# Allegro board S071AA-0413-20260427_Power.brd (continued)
## Routing (per net, layer and track width the routed paths; a pad name or vN(x,y) marks a point on that pad's centre or on a via; arc(x,y) is an arc through that point) (continued)
34.76,370.84 ; D231.B9 35.83,371.91 ; 123.66,375.92 D227.A3 ; D227.A3 124.73,374.85 ; D227.A3 124.73,376.99 ; D227.A3 125.8,375.92 ; 185.69,392.63 D116.A8 ; D116.A8 184.62,393.7 ; D116.A8 185.69,394.77 ; D116.A8 186.76,393.7 ; D103.A8 181.68,55.88 ; D103.A8 180.61,54.81 ; D103.A8 180.61,56.95 ; D103.A8 179.54,55.88 ; D427.A13 99.33,387.15 ; D427.A13 98.26,386.08 ; D427.A13 100.4,386.08 ; D427.A13 99.33,385.01 ; 256.81,57.35 D107.B9 ; D107.B9 255.74,58.42 ; D107.B9 257.88,58.42 ; D107.B9 256.81,59.49 ; D232.A7 41.98,396.24 ; D232.A7 40.91,395.17 ; D232.A7 40.91,397.31 ; D232.A7 39.84,396.24 ; D428.B4 122.19,399.85 ; D428.B4 121.12,398.78 ; D428.B4 122.19,397.71 ; D428.B4 123.26,398.78 ; 39.84,58.42 D119.B11 ; D119.B11 40.91,57.35 ; D119.B11 41.98,58.42 ; D119.B11 40.91,59.49 ; D123.B11 114.57,59.49 ; D123.B11 114.57,57.35 ; D123.B11 115.64,58.42 ; D123.B11 113.5,58.42 ; CSDPS429.C15 21.66,340.36 ; CSDPS429.C15 19.52,340.36 ; CSDPS429.C15 20.59,339.29 ; CSDPS429.C15 20.59,341.43 ; UHC430.G2_9 47.83,361.01 ; UHC430.G2_9 48.64,360.2 ; UHC430.G2_9 47.83,359.39 ; UHC430.G2_9 47.02,360.2 ; 114.57,359.61 CSDPS426.C7 ; CSDPS426.C7 115.64,360.68 ; CSDPS426.C7 114.57,361.75 ; CSDPS426.C7 113.5,360.68 ; 246.65,12.9 DPS1.A05 ; DPS1.A05 246.65,15.04 ; DPS1.A05 247.72,13.97 ; DPS1.A05 245.58,13.97 ; 202.4,330.2 D113.B1 ; D113.B1 203.47,331.27 ; D113.B1 204.54,330.2 ; D113.B1 203.47,329.13 ; 192.24,350.52 D114.B5 ; D114.B5 193.31,351.59 ; D114.B5 193.31,349.45 ; D114.B5 194.38,350.52 ; 101.87,362.15 CSDPS426.B12 ; CSDPS426.B12 102.94,363.22 ; CSDPS426.B12 100.8,363.22 ; CSDPS426.B12 101.87,364.29 ; D121.A1 90.24,93.98 ; D121.A1 89.17,95.05 ; D121.A1 89.17,92.91 ; D121.A1 88.1,93.98 ; D105.B11 262.96,99.06 ; D105.B11 260.82,99.06 ; D105.B11 261.89,100.13 ; D105.B11 261.89,97.99 ; D103.B7 178.07,59.49 ; D103.B7 178.07,57.35 ; D103.B7 179.14,58.42 ; D103.B7 177,58.42 ; 44.92,78.74 D118.B13 ; D118.B13 45.99,77.67 ; D118.B13 47.06,78.74 ; D118.B13 45.99,79.81 ; 22.06,55.88 D119.A4 ; D119.A4 23.13,56.95 ; D119.A4 23.13,54.81 ; D119.A4 24.2,55.88 ; D102.B6 175.53,82.35 ; D102.B6 174.46,81.28 ; D102.B6 175.53,80.21 ; D102.B6 176.6,81.28 ; D227.B15 94.25,371.91 ; D227.B15 93.18,370.84 ; D227.B15 95.32,370.84 ; D227.B15 94.25,369.77 ; 239.03,326.59 D109.B16 ; D109.B16 237.96,327.66 ; D109.B16 240.1,327.66 ; D109.B16 239.03,328.73 ; D431.B12 28.21,379.53 ; D431.B12 28.21,377.39 ; D431.B12 27.14,378.46 ; D431.B12 29.28,378.46 ; CSDPS426.C1 130.88,360.68 ; CSDPS426.C1 129.81,359.61 ; CSDPS426.C1 129.81,361.75 ; CSDPS426.C1 128.74,360.68 ; 19.52,381 D431.B15 ; D431.B15 21.66,381 ; D431.B15 20.59,379.93 ; D431.B15 20.59,382.07 ; 16.98,60.96 D119.B2 ; D119.B2 18.05,59.89 ; D119.B2 18.05,62.03 ; D119.B2 19.12,60.96 ; 269.51,351.99 D110.A4 ; D110.A4 268.44,353.06 ; D110.A4 269.51,354.13 ; D110.A4 270.58,353.06 ; D118.A6 29.28,76.2 ; D118.A6 28.21,77.27 ; D118.A6 28.21,75.13 ; D118.A6 27.14,76.2 ; D115.B7 189.3,370.84 ; D115.B7 188.23,369.77 ; D115.B7 187.16,370.84 ; D115.B7 188.23,371.91 ; D108.B4 244.11,41.71 ; D108.B4 245.18,40.64 ; D108.B4 244.11,39.57 ; D108.B4 243.04,40.64 ; 246.65,52.27 D107.A5 ; D107.A5 246.65,54.41 ; D107.A5 245.58,53.34 ; D107.A5 247.72,53.34 ; 166.84,78.74 D102.B3 ; D102.B3 168.98,78.74 ; D102.B3 167.91,79.81 ; D102.B3 167.91,77.67 ; 27.14,373.38 D231.A12 ; D231.A12 28.21,372.31 ; D231.A12 29.28,373.38 ; D231.A12 28.21,374.45 ; 48.98,347.48 UHC230.G3_11 ; UHC230.G3_11 49.79,348.29 ; UHC230.G3_11 48.17,348.29 ; UHC230.G3_11 48.98,349.1 ; D106.A16 274.59,77.27 ; D106.A16 274.59,75.13 ; D106.A16 275.66,76.2 ; D106.A16 273.52,76.2 ; D232.B7 41.98,391.16 ; D232.B7 39.84,391.16 ; D232.B7 40.91,392.23 ; D232.B7 40.91,390.09 ; 88.1,381 D427.B17 ; D427.B17 90.24,381 ; D427.B17 89.17,382.07 ; D427.B17 89.17,379.93 ; CSDPS229.C7 41.98,330.2 ; CSDPS229.C7 40.91,329.13 ; CSDPS229.C7 39.84,330.2 ; CSDPS229.C7 40.91,331.27 ; 127.27,382.47 D427.A2 ; D427.A2 128.34,383.54 ; D427.A2 127.27,384.61 ; D427.A2 126.2,383.54 ; 182.08,78.74 D102.B9 ; D102.B9 183.15,79.81 ; D102.B9 183.15,77.67 ; D102.B9 184.22,78.74 ; 116.04,35.56 D124.A12 ; D124.A12 118.18,35.56 ; D124.A12 117.11,34.49 ; D124.A12 117.11,36.63 ; D102.A14 195.85,77.27 ; D102.A14 194.78,76.2 ; D102.A14 196.92,76.2 ; D102.A14 195.85,75.13 ; 175.53,326.59 D113.B12 ; D113.B12 176.6,327.66 ; D113.B12 174.46,327.66 ; D113.B12 175.53,328.73 ; D113.A11 178.07,336.35 ; D113.A11 178.07,334.21 ; D113.A11 177,335.28 ; D113.A11 179.14,335.28 ; 202.4,410.21 DPS2.C01 ; DPS2.C01 204.54,410.21 ; DPS2.C01 203.47,411.28 ; DPS2.C01 203.47,409.14 ; 110.96,398.78 D428.B8 ; D428.B8 112.03,397.71 ; D428.B8 113.1,398.78 ; D428.B8 112.03,399.85 ; D114.A13 174.06,355.6 ; D114.A13 172.99,356.67 ; D114.A13 172.99,354.53 ; D114.A13 171.92,355.6 ; 199.86,353.06 D114.A2 ; D114.A2 202,353.06 ; D114.A2 200.93,354.13 ; D114.A2 200.93,351.99 ; D104.A15 199.46,33.02 ; D104.A15 197.32,33.02 ; D104.A15 198.39,34.09 ; D104.A15 198.39,31.95 ; 15.51,405.33 D432.A17 ; D432.A17 15.51,407.47 ; D432.A17 16.58,406.4 ; D432.A17 14.44,406.4 ; D111.B10 255.34,368.3 ; D111.B10 253.2,368.3 ; D111.B10 254.27,369.37 ; D111.B10 254.27,367.23 ; DPS3.A05 100.4,13.97 ; DPS3.A05 99.33,15.04 ; DPS3.A05 98.26,13.97 ; DPS3.A05 99.33,12.9 ; DPS1.C15 272.05,20.12 ; DPS1.C15 270.98,19.05 ; DPS1.C15 272.05,17.98 ; DPS1.C15 273.12,19.05 ; 35.83,57.35 D119.B9 ; D119.B9 35.83,59.49 ; D119.B9 36.9,58.42 ; D119.B9 34.76,58.42 ; 116.04,398.78 D428.B6 ; D428.B6 118.18,398.78 ; D428.B6 117.11,397.71 ; D428.B6 117.11,399.85 ; D232.B15 21.66,391.16 ; D232.B15 20.59,390.09 ; D232.B15 20.59,392.23 ; D232.B15 19.52,391.16 ; D105.A8 255.34,96.52 ; D105.A8 254.27,97.59 ; D105.A8 254.27,95.45 ; D105.A8 253.2,96.52 ; D227.A5 119.65,376.99 ; D227.A5 120.72,375.92 ; D227.A5 118.58,375.92 ; D227.A5 119.65,374.85 ; 35.83,72.59 D118.A9 ; D118.A9 36.9,73.66 ; D118.A9 35.83,74.73 ; D118.A9 34.76,73.66 ; D113.A7 188.23,336.35 ; D113.A7 187.16,335.28 ; D113.A7 188.23,334.21 ; D113.A7 189.3,335.28 ; D116.A5 194.38,396.24 ; D116.A5 192.24,396.24 ; D116.A5 193.31,397.31 ; D116.A5 193.31,395.17 ; 24.6,340.36 CSDPS429.C13 ; CSDPS429.C13 25.67,339.29 ; CSDPS429.C13 25.67,341.43 ; CSDPS429.C13 26.74,340.36 ; 106.95,367.23 D227.B10 ; D227.B10 106.95,369.37 ; D227.B10 105.88,368.3 ; D227.B10 108.02,368.3 ; 203.47,390.09 D116.B1 ; D116.B1 203.47,392.23 ; D116.B1 204.54,391.16 ; D116.B1 202.4,391.16 ; 110.96,342.9 CSDPS425.B8 ; CSDPS425.B8 112.03,343.97 ; CSDPS425.B8 113.1,342.9 ; CSDPS425.B8 112.03,341.83 ; D115.A4 196.92,373.38 ; D115.A4 195.85,372.31 ; D115.A4 195.85,374.45 ; D115.A4 194.78,373.38 ; 18.05,382.47 D431.A16 ; D431.A16 18.05,384.61 ; D431.A16 16.98,383.54 ; D431.A16 19.12,383.54 ; D101.A13 194.38,93.98 ; D101.A13 193.31,92.91 ; D101.A13 192.24,93.98 ; D101.A13 193.31,95.05 ; 241.57,92.91 D105.A3 ; D105.A3 242.64,93.98 ; D105.A3 240.5,93.98 ; D105.A3 241.57,95.05 ; D122.A6 101.87,77.27 ; D122.A6 102.94,76.2 ; D122.A6 101.87,75.13 ; D122.A6 100.8,76.2 ; 119.65,57.35 D123.B13 ; D123.B13 120.72,58.42 ; D123.B13 118.58,58.42 ; D123.B13 119.65,59.49 ; D120.A10 39.44,35.56 ; D120.A10 38.37,34.49 ; D120.A10 37.3,35.56 ; D120.A10 38.37,36.63 ; D108.A5 246.65,34.09 ; D108.A5 246.65,31.95 ; D108.A5 247.72,33.02 ; D108.A5 245.58,33.02 ; 195.85,387.55 D116.B4 ; D116.B4 196.92,388.62 ; D116.B4 195.85,389.69 ; D116.B4 194.78,388.62 ; 43.45,392.63 D232.A6 ; D232.A6 43.45,394.77 ; D232.A6 42.38,393.7 ; D232.A6 44.52,393.7 ; 126.2,388.62 D228.B2 ; D228.B2 127.27,387.55 ; D228.B2 128.34,388.62 ; D228.B2 127.27,389.69 ; D106.A7 251.73,74.73 ; D106.A7 251.73,72.59 ; D106.A7 250.66,73.66 ; D106.A7 252.8,73.66 ; 101.87,54.81 D123.A6 ; D123.A6 100.8,55.88 ; D123.A6 102.94,55.88 ; D123.A6 101.87,56.95 ; D118.B6 29.28,81.28 ; D118.B6 28.21,80.21 ; D118.B6 28.21,82.35 ; D118.B6 27.14,81.28 ; D101.A10 185.69,97.59 ; D101.A10 185.69,95.45 ; D101.A10 184.62,96.52 ; D101.A10 186.76,96.52 ; 19.52,415.29 DPS8.A15 ; DPS8.A15 20.59,416.36 ; DPS8.A15 20.59,414.22 ; DPS8.A15 21.66,415.29 ; D118.A7 30.75,74.73 ; D118.A7 29.68,73.66 ; D118.A7 31.82,73.66 ; D118.A7 30.75,72.59 ; UHC230.G4_6 19.99,351.79 ; UHC230.G4_6 19.18,352.6 ; UHC230.G4_6 19.18,350.98 ; UHC230.G4_6 18.37,351.79 ; D102.A12 191.84,76.2 ; D102.A12 190.77,77.27 ; D102.A12 189.7,76.2 ; D102.A12 190.77,75.13 ; D117.A7 31.82,93.98 ; D117.A7 30.75,95.05 ; D117.A7 29.68,93.98 ; D117.A7 30.75,92.91 ; DPS2.C15 167.91,411.28 ; DPS2.C15 168.98,410.21 ; DPS2.C15 166.84,410.21 ; DPS2.C15 167.91,409.14 ; D121.B1 90.24,99.06 ; D121.B1 88.1,99.06 ; D121.B1 89.17,97.99 ; D121.B1 89.17,100.13 ; 244.11,346.91 D110.B14 ; D110.B14 243.04,347.98 ; D110.B14 244.11,349.05 ; D110.B14 245.18,347.98 ; 263.36,393.7 D112.A6 ; D112.A6 265.5,393.7 ; D112.A6 264.43,394.77 ; D112.A6 264.43,392.63 ; 94.25,395.17 D228.A15 ; D228.A15 93.18,396.24 ; D228.A15 94.25,397.31 ; D228.A15 95.32,396.24 ; D427.A12 102.94,383.54 ; D427.A12 101.87,382.47 ; D427.A12 100.8,383.54 ; D427.A12 101.87,384.61 ; 251.73,334.21 D109.A11 ; D109.A11 251.73,336.35 ; D109.A11 252.8,335.28 ; D109.A11 250.66,335.28 ; D121.B14 123.26,101.6 ; D121.B14 121.12,101.6 ; D121.B14 122.19,100.53 ; D121.B14 122.19,102.67 ; 99.33,395.17 D228.A13 ; D228.A13 99.33,397.31 ; D228.A13 98.26,396.24 ; D228.A13 100.4,396.24 ; UHC230.G3_6 48.98,352.6 ; UHC230.G3_6 48.17,351.79 ; UHC230.G3_6 48.98,350.98 ; UHC230.G3_6 49.79,351.79 ; D117.A5 25.67,95.05 ; D117.A5 26.74,93.98 ; D117.A5 25.67,92.91 ; D117.A5 24.6,93.98 ; CSDPS225.B12 102.94,332.74 ; CSDPS225.B12 100.8,332.74 ; CSDPS225.B12 101.87,331.67 ; CSDPS225.B12 101.87,333.81 ; D115.A16 165.37,374.45 ; D115.A16 165.37,372.31 ; D115.A16 166.44,373.38 ; D115.A16 164.3,373.38 ; D101.A7 178.07,95.05 ; D101.A7 179.14,93.98 ; D101.A7 177,93.98 ; D101.A7 178.07,92.91 ; D124.B5 99.33,39.17 ; D124.B5 100.4,38.1 ; D124.B5 99.33,37.03 ; D124.B5 98.26,38.1 ; 45.99,31.95 D120.A13 ; D120.A13 47.06,33.02 ; D120.A13 45.99,34.09 ; D120.A13 44.92,33.02 ; D432.A4 49.6,403.86 ; D432.A4 48.53,402.79 ; D432.A4 48.53,404.93 ; D432.A4 47.46,403.86 ; D227.B16 91.71,369.37 ; D227.B16 90.64,368.3 ; D227.B16 92.78,368.3 ; D227.B16 91.71,367.23 ; D103.B16 200.93,62.03 ; D103.B16 199.86,60.96 ; D103.B16 200.93,59.89 ; D103.B16 202,60.96 ; D121.A9 109.49,95.05 ; D121.A9 109.49,92.91 ; D121.A9 110.56,93.98 ; D121.A9 108.42,93.98 ; D231.B14 23.13,369.37 ; D231.B14 22.06,368.3 ; D231.B14 24.2,368.3 ; D231.B14 23.13,367.23 ; 18.37,365.45 UHC430.G1_1 ; UHC430.G1_1 19.18,366.26 ; UHC430.G1_1 19.18,364.64 ; UHC430.G1_1 19.99,365.45 ; 190.77,59.89 D103.B12 ; D103.B12 189.7,60.96 ; D103.B12 190.77,62.03 ; D103.B12 191.84,60.96 ; D115.B14 171.52,368.3 ; D115.B14 170.45,369.37 ; D115.B14 169.38,368.3 ; D115.B14 170.45,367.23 ; D118.A11 41.98,73.66 ; D118.A11 40.91,74.73 ; D118.A11 39.84,73.66 ; D118.A11 40.91,72.59 ; D102.A15 198.39,74.73 ; D102.A15 198.39,72.59 ; D102.A15 197.32,73.66 ; D102.A15 199.46,73.66 ; D117.A4 23.13,97.59 ; D117.A4 23.13,95.45 ; D117.A4 24.2,96.52 ; D117.A4 22.06,96.52 ; UHC430.G1_4 18.03,364.51 ; UHC430.G1_4 18.03,362.89 ; UHC430.G1_4 18.84,363.7 ; UHC430.G1_4 17.22,363.7 ; 98.26,78.74 D122.B5 ; D122.B5 99.33,77.67 ; D122.B5 100.4,78.74 ; D122.B5 99.33,79.81 ; 105.88,393.7 D228.A10 ; D228.A10 106.95,392.63 ; D228.A10 106.95,394.77 ; D228.A10 108.02,393.7 ; 188.23,72.59 D102.A11 ; D102.A11 187.16,73.66 ; D102.A11 189.3,73.66 ; D102.A11 188.23,74.73 ; D428.B10 108.02,398.78 ; D428.B10 106.95,399.85 ; D428.B10 106.95,397.71 ; D428.B10 105.88,398.78 ; D432.A3 51.07,407.47 ; D432.A3 51.07,405.33 ; D432.A3 50,406.4 ; D432.A3 52.14,406.4 ; 110.96,388.62 D228.B8 ; D228.B8 112.03,389.69 ; D228.B8 113.1,388.62 ; D228.B8 112.03,387.55 ; D231.A14 24.2,373.38 ; D231.A14 23.13,374.45 ; D231.A14 23.13,372.31 ; D231.A14 22.06,373.38 ; 277.13,395.17 D112.A1 ; D112.A1 278.2,396.24 ; D112.A1 277.13,397.31 ; D112.A1 276.06,396.24 ; 42.38,383.54 D431.A6 ; D431.A6 43.45,384.61 ; D431.A6 43.45,382.47 ; D431.A6 44.52,383.54 ; DPS8.B01 56.15,413.82 ; DPS8.B01 57.22,412.75 ; DPS8.B01 56.15,411.68 ; DPS8.B01 55.08,412.75 ; 122.19,351.99 CSDPS226.B4 ; CSDPS226.B4 121.12,353.06 ; CSDPS226.B4 123.26,353.06 ; CSDPS226.B4 122.19,354.13 ; 183.15,334.21 D113.A9 ; D113.A9 182.08,335.28 ; D113.A9 184.22,335.28 ; D113.A9 183.15,336.35 ; D228.B7 115.64,391.16 ; D228.B7 114.57,392.23 ; D228.B7 114.57,390.09 ; D228.B7 113.5,391.16 ; CSDPS225.C9 110.56,330.2 ; CSDPS225.C9 109.49,329.13 ; CSDPS225.C9 109.49,331.27 ; CSDPS225.C9 108.42,330.2 ; 32.22,383.54 D431.A10 ; D431.A10 34.36,383.54 ; D431.A10 33.29,384.61 ; D431.A10 33.29,382.47 ; 274.59,372.31 D111.A2 ; D111.A2 273.52,373.38 ; D111.A2 274.59,374.45 ; D111.A2 275.66,373.38 ; 46.68,357.64 UHC430.G2_12 ; UHC430.G2_12 46.68,359.26 ; UHC430.G2_12 47.49,358.45 ; UHC430.G2_12 45.87,358.45 ; D124.A14 122.19,36.63 ; D124.A14 123.26,35.56 ; D124.A14 121.12,35.56 ; D124.A14 122.19,34.49 ; D117.B14 48.53,102.67 ; D117.B14 47.46,101.6 ; D117.B14 49.6,101.6 ; D117.B14 48.53,100.53 ; D119.A11 41.98,53.34 ; D119.A11 40.91,52.27 ; D119.A11 40.91,54.41 ; D119.A11 39.84,53.34 ; 33.29,80.21 D118.B8 ; D118.B8 34.36,81.28 ; D118.B8 32.22,81.28 ; D118.B8 33.29,82.35 ; D110.B9 256.81,351.59 ; D110.B9 256.81,349.45 ; D110.B9 257.88,350.52 ; D110.B9 255.74,350.52 ; D231.B13 25.67,371.91 ; D231.B13 24.6,370.84 ; D231.B13 26.74,370.84 ; D231.B13 25.67,369.77 ; 25.67,390.09 D232.B13 ; D232.B13 25.67,392.23 ; D232.B13 26.74,391.16 ; D232.B13 24.6,391.16 ; D120.A2 19.12,35.56 ; D120.A2 18.05,36.63 ; D120.A2 16.98,35.56 ; D120.A2 18.05,34.49 ; 258.28,393.7 D112.A8 ; D112.A8 260.42,393.7 ; D112.A8 259.35,392.63 ; D112.A8 259.35,394.77 ; 110.96,76.2 D122.A10 ; D122.A10 112.03,77.27 ; D122.A10 113.1,76.2 ; D122.A10 112.03,75.13 ; D111.B2 275.66,368.3 ; D111.B2 274.59,369.37 ; D111.B2 273.52,368.3 ; D111.B2 274.59,367.23 ; D103.A10 185.69,56.95 ; D103.A10 185.69,54.81 ; D103.A10 184.62,55.88 ; D103.A10 186.76,55.88 ; 116.04,40.64 D124.B12 ; D124.B12 117.11,41.71 ; D124.B12 118.18,40.64 ; D124.B12 117.11,39.57 ; 27.14,55.88 D119.A6 ; D119.A6 28.21,54.81 ; D119.A6 28.21,56.95 ; D119.A6 29.28,55.88 ; 189.7,81.28 D102.B12 ; D102.B12 190.77,80.21 ; D102.B12 190.77,82.35 ; D102.B12 191.84,81.28 ; 273.52,353.06 D110.A2 ; D110.A2 274.59,354.13 ; D110.A2 274.59,351.99 ; D110.A2 275.66,353.06 ; 109.49,339.29 CSDPS425.C9 ; CSDPS425.C9 109.49,341.43 ; CSDPS425.C9 110.56,340.36 ; CSDPS425.C9 108.42,340.36 ; D227.B6 117.11,369.37 ; D227.B6 116.04,368.3 ; D227.B6 117.11,367.23 ; D227.B6 118.18,368.3 ; 127.27,362.15 CSDPS426.B2 ; CSDPS426.B2 128.34,363.22 ; CSDPS426.B2 127.27,364.29 ; CSDPS426.B2 126.2,363.22 ; 164.3,60.96 D103.B2 ; D103.B2 165.37,59.89 ; D103.B2 166.44,60.96 ; D103.B2 165.37,62.03 ; D123.B12 117.11,62.03 ; D123.B12 116.04,60.96 ; D123.B12 117.11,59.89 ; D123.B12 118.18,60.96 ; D123.A15 125.8,53.34 ; D123.A15 123.66,53.34 ; D123.A15 124.73,52.27 ; D123.A15 124.73,54.41 ; KS4.6 53.36,157.84 ; KS4.6 54.47,156.72 ; KS4.6 53.36,155.6 ; KS4.6 52.24,156.72 ; 94.25,77.67 D122.B3 ; D122.B3 95.32,78.74 ; D122.B3 93.18,78.74 ; D122.B3 94.25,79.81 ; 274.59,387.55 D112.B2 ; D112.B2 275.66,388.62 ; D112.B2 273.52,388.62 ; D112.B2 274.59,389.69 ; D232.B9 36.9,391.16 ; D232.B9 34.76,391.16 ; D232.B9 35.83,392.23 ; D232.B9 35.83,390.09 ; D106.B15 272.05,79.81 ; D106.B15 270.98,78.74 ; D106.B15 273.12,78.74 ; D106.B15 272.05,77.67 ; 124.73,405.33 D428.A3 ; D428.A3 124.73,407.47 ; D428.A3 125.8,406.4 ; D428.A3 123.66,406.4 ; 47.02,363.7 UHC430.G2_4 ; UHC430.G2_4 47.83,364.51 ; UHC430.G2_4 47.83,362.89 ; UHC430.G2_4 48.64,363.7 ; 27.14,398.78 D432.B12 ; D432.B12 28.21,399.85 ; D432.B12 29.28,398.78 ; D432.B12 28.21,397.71 ; 249.19,34.49 D108.A6 ; D108.A6 250.26,35.56 ; D108.A6 248.12,35.56 ; D108.A6 249.19,36.63 ; 16.98,393.7 D232.A16 ; D232.A16 19.12,393.7 ; D232.A16 18.05,394.77 ; D232.A16 18.05,392.63 ; D114.A15 168.98,355.6 ; D114.A15 167.91,356.67 ; D114.A15 166.84,355.6 ; D114.A15 167.91,354.53 ; D106.A15 272.05,74.73 ; D106.A15 270.98,73.66 ; D106.A15 272.05,72.59 ; D106.A15 273.12,73.66 ; 177,78.74 D102.B7 ; D102.B7 178.07,79.81 ; D102.B7 179.14,78.74 ; D102.B7 178.07,77.67 ; D103.A15 199.46,53.34 ; D103.A15 198.39,54.41 ; D103.A15 197.32,53.34 ; D103.A15 198.39,52.27 ; D232.A11 30.75,397.31 ; D232.A11 31.82,396.24 ; D232.A11 29.68,396.24 ; D232.A11 30.75,395.17 ; UHC230.G3_13 44.38,349.1 ; UHC230.G3_13 43.57,348.29 ; UHC230.G3_13 44.38,347.48 ; UHC230.G3_13 45.19,348.29 ; D107.B1 237.56,58.42 ; D107.B1 235.42,58.42 ; D107.B1 236.49,57.35 ; D107.B1 236.49,59.49 ; CSDPS226.B14 97.86,353.06 ; CSDPS226.B14 96.79,354.13 ; CSDPS226.B14 95.72,353.06 ; CSDPS226.B14 96.79,351.99 ; D231.B8 38.37,369.37 ; D231.B8 38.37,367.23 ; D231.B8 39.44,368.3 ; D231.B8 37.3,368.3 ; 237.96,76.2 D106.A2 ; D106.A2 239.03,75.13 ; D106.A2 239.03,77.27 ; D106.A2 240.1,76.2 ; 95.72,55.88 D123.A4 ; D123.A4 96.79,56.95 ; D123.A4 96.79,54.81 ; D123.A4 97.86,55.88 ; DPS8.C15 21.66,410.21 ; DPS8.C15 20.59,409.14 ; DPS8.C15 19.52,410.21 ; DPS8.C15 20.59,411.28 ; DPS8.B15 20.59,413.82 ; DPS8.B15 19.52,412.75 ; DPS8.B15 21.66,412.75 ; DPS8.B15 20.59,411.68 ; 268.44,81.28 D106.B14 ; D106.B14 269.51,82.35 ; D106.B14 269.51,80.21 ; D106.B14 270.58,81.28 ; D427.A16 91.71,384.61 ; D427.A16 91.71,382.47 ; D427.A16 92.78,383.54 ; D427.A16 90.64,383.54 ; CSDPS226.C1 130.88,350.52 ; CSDPS226.C1 129.81,349.45 ; CSDPS226.C1 129.81,351.59 ; CSDPS226.C1 128.74,350.52 ; 114.57,92.91 D121.A11 ; D121.A11 115.64,93.98 ; D121.A11 113.5,93.98 ; D121.A11 114.57,95.05 ; 117.11,402.79 D428.A6 ; D428.A6 116.04,403.86 ; D428.A6 118.18,403.86 ; D428.A6 117.11,404.93 ; 265.9,350.52 D110.B5 ; D110.B5 266.97,349.45 ; D110.B5 268.04,350.52 ; D110.B5 266.97,351.59 ; D110.B10 255.34,347.98 ; D110.B10 253.2,347.98 ; D110.B10 254.27,349.05 ; D110.B10 254.27,346.91 ; 19.52,58.42 D119.B3 ; D119.B3 20.59,59.49 ; D119.B3 21.66,58.42 ; D119.B3 20.59,57.35 ; D228.B10 106.95,389.69 ; D228.B10 105.88,388.62 ; D228.B10 108.02,388.62 ; D228.B10 106.95,387.55 ; 22.06,393.7 D232.A14 ; D232.A14 23.13,392.63 ; D232.A14 24.2,393.7 ; D232.A14 23.13,394.77 ; 256.81,97.99 D105.B9 ; D105.B9 257.88,99.06 ; D105.B9 256.81,100.13 ; D105.B9 255.74,99.06 ; 121.12,378.46 D427.B4 ; D427.B4 123.26,378.46 ; D427.B4 122.19,377.39 ; D427.B4 122.19,379.53 ; CSDPS426.C11 104.41,361.75 ; CSDPS426.C11 103.34,360.68 ; CSDPS426.C11 105.48,360.68 ; CSDPS426.C11 104.41,359.61 ; 98.26,58.42 D123.B5 ; D123.B5 100.4,58.42 ; D123.B5 99.33,57.35 ; D123.B5 99.33,59.49 ; 32.22,388.62 D232.B10 ; D232.B10 33.29,387.55 ; D232.B10 33.29,389.69 ; D232.B10 34.36,388.62 ; D112.A10 254.27,394.77 ; D112.A10 254.27,392.63 ; D112.A10 255.34,393.7 ; D112.A10 253.2,393.7 ; 241.57,329.13 D109.B15 ; D109.B15 240.5,330.2 ; D109.B15 241.57,331.27 ; D109.B15 242.64,330.2 ; 90.64,76.2 D122.A2 ; D122.A2 92.78,76.2 ; D122.A2 91.71,75.13 ; D122.A2 91.71,77.27 ; UHC230.G3 47.49,351.79 ; UHC230.G3 46.68,352.6 ; UHC230.G3 45.87,351.79 ; UHC230.G3 46.68,350.98 ; CSDPS225.B14 97.86,332.74 ; CSDPS225.B14 96.79,331.67 ; CSDPS225.B14 96.79,333.81 ; CSDPS225.B14 95.72,332.74 ; D232.B4 48.53,389.69 ; D232.B4 49.6,388.62 ; D232.B4 47.46,388.62 ; D232.B4 48.53,387.55 ; 37.3,81.28 D118.B10 ; D118.B10 38.37,82.35 ; D118.B10 38.37,80.21 ; D118.B10 39.44,81.28 ; 192.24,330.2 D113.B5 ; D113.B5 193.31,329.13 ; D113.B5 194.38,330.2 ; D113.B5 193.31,331.27 ; 90.64,403.86 D428.A16 ; D428.A16 91.71,404.93 ; D428.A16 92.78,403.86 ; D428.A16 91.71,402.79 ; 239.03,331.67 D109.A16 ; D109.A16 240.1,332.74 ; D109.A16 237.96,332.74 ; D109.A16 239.03,333.81 ; D114.B15 168.98,350.52 ; D114.B15 167.91,351.59 ; D114.B15 167.91,349.45 ; D114.B15 166.84,350.52 ; 23.13,39.57 D120.B4 ; D120.B4 23.13,41.71 ; D120.B4 24.2,40.64 ; D120.B4 22.06,40.64 ; D120.A12 44.52,35.56 ; D120.A12 42.38,35.56 ; D120.A12 43.45,36.63 ; D120.A12 43.45,34.49 ; D104.A6 176.6,35.56 ; D104.A6 174.46,35.56 ; D104.A6 175.53,34.49 ; D104.A6 175.53,36.63 ; 47.46,368.3 D231.B4 ; D231.B4 49.6,368.3 ; D231.B4 48.53,369.37 ; D231.B4 48.53,367.23 ; D228.A8 112.03,394.77 ; D228.A8 110.96,393.7 ; D228.A8 113.1,393.7 ; D228.A8 112.03,392.63 ; 103.34,381 D427.B11 ; D427.B11 105.48,381 ; D427.B11 104.41,379.93 ; D427.B11 104.41,382.07 ; D106.A12 265.5,76.2 ; D106.A12 264.43,75.13 ; D106.A12 263.36,76.2 ; D106.A12 264.43,77.27 ; D122.A1 90.24,73.66 ; D122.A1 88.1,73.66 ; D122.A1 89.17,74.73 ; D122.A1 89.17,72.59 ; 260.82,335.28 D109.A7 ; D109.A7 261.89,334.21 ; D109.A7 262.96,335.28 ; D109.A7 261.89,336.35 ; D108.B2 239.03,41.71 ; D108.B2 239.03,39.57 ; D108.B2 237.96,40.64 ; D108.B2 240.1,40.64 ; D432.A14 24.2,403.86 ; D432.A14 23.13,404.93 ; D432.A14 23.13,402.79 ; D432.A14 22.06,403.86 ; 112.03,382.47 D427.A8 ; D427.A8 113.1,383.54 ; D427.A8 112.03,384.61 ; D427.A8 110.96,383.54 ; 38.37,39.57 D120.B10 ; D120.B10 39.44,40.64 ; D120.B10 38.37,41.71 ; D120.B10 37.3,40.64 ; 203.47,334.21 D113.A1 ; D113.A1 203.47,336.35 ; D113.A1 202.4,335.28 ; D113.A1 204.54,335.28 ; D105.B8 254.27,102.67 ; D105.B8 253.2,101.6 ; D105.B8 255.34,101.6 ; D105.B8 254.27,100.53 ; CSDPS429.B6 44.52,342.9 ; CSDPS429.B6 43.45,341.83 ; CSDPS429.B6 43.45,343.97 ; CSDPS429.B6 42.38,342.9 ; D112.B15 242.64,391.16 ; D112.B15 241.57,390.09 ; D112.B15 240.5,391.16 ; D112.B15 241.57,392.23 ; 268.44,101.6 D105.B14 ; D105.B14 269.51,100.53 ; D105.B14 270.58,101.6 ; D105.B14 269.51,102.67 ; 235.42,53.34 D107.A1 ; D107.A1 236.49,54.41 ; D107.A1 237.56,53.34 ; D107.A1 236.49,52.27 ; 276.06,370.84 D111.B1 ; D111.B1 277.13,369.77 ; D111.B1 278.2,370.84 ; D111.B1 277.13,371.91 ; D121.B11 114.57,100.13 ; D121.B11 115.64,99.06 ; D121.B11 113.5,99.06 ; D121.B11 114.57,97.99 ; 13.77,358.45 UHC430.G1_13 ; UHC430.G1_13 14.58,357.64 ; UHC430.G1_13 14.58,359.26 ; UHC430.G1_13 15.39,358.45 ; D122.A14 122.19,77.27 ; D122.A14 121.12,76.2 ; D122.A14 123.26,76.2 ; D122.A14 122.19,75.13 ; D109.A1 277.13,336.35 ; D109.A1 276.06,335.28 ; D109.A1 277.13,334.21 ; D109.A1 278.2,335.28 ; D112.A7 261.89,397.31 ; D112.A7 260.82,396.24 ; D112.A7 262.96,396.24 ; D112.A7 261.89,395.17 ; 48.53,54.81 D119.A14 ; D119.A14 49.6,55.88 ; D119.A14 47.46,55.88 ; D119.A14 48.53,56.95 ; 45.53,349.23 UHC230.G3_10 ; UHC230.G3_10 46.34,350.04 ; UHC230.G3_10 45.53,350.85 ; UHC230.G3_10 44.72,350.04 ; D428.B2 128.34,398.78 ; D428.B2 127.27,399.85 ; D428.B2 127.27,397.71 ; D428.B2 126.2,398.78 ; D123.A13 119.65,54.41 ; D123.A13 119.65,52.27 ; D123.A13 120.72,53.34 ; D123.A13 118.58,53.34 ; 187.16,355.6 D114.A7 ; D114.A7 189.3,355.6 ; D114.A7 188.23,356.67 ; D114.A7 188.23,354.53 ; D116.A14 171.52,393.7 ; D116.A14 170.45,392.63 ; D116.A14 170.45,394.77 ; D116.A14 169.38,393.7 ; D111.A11 251.73,376.99 ; D111.A11 252.8,375.92 ; D111.A11 250.66,375.92 ; D111.A11 251.73,374.85 ; D111.B15 242.64,370.84 ; D111.B15 240.5,370.84 ; D111.B15 241.57,369.77 ; D111.B15 241.57,371.91 ; 129.81,405.33 D428.A1 ; D428.A1 129.81,407.47 ; D428.A1 128.74,406.4 ; D428.A1 130.88,406.4 ; D428.A14 96.79,404.93 ; D428.A14 97.86,403.86 ; D428.A14 96.79,402.79 ; D428.A14 95.72,403.86 ; 16.98,342.9 CSDPS429.B16 ; CSDPS429.B16 18.05,343.97 ; CSDPS429.B16 18.05,341.83 ; CSDPS429.B16 19.12,342.9 ; 27.14,393.7 D232.A12 ; D232.A12 28.21,394.77 ; D232.A12 28.21,392.63 ; D232.A12 29.28,393.7 ; D111.A7 261.89,376.99 ; D111.A7 260.82,375.92 ; D111.A7 262.96,375.92 ; D111.A7 261.89,374.85 ; CSDPS429.B14 24.2,342.9 ; CSDPS429.B14 23.13,341.83 ; CSDPS429.B14 22.06,342.9 ; CSDPS429.B14 23.13,343.97 ; 106.95,80.21 D122.B8 ; D122.B8 108.02,81.28 ; D122.B8 106.95,82.35 ; D122.B8 105.88,81.28 ; 103.34,33.02 D124.A7 ; D124.A7 104.41,31.95 ; D124.A7 105.48,33.02 ; D124.A7 104.41,34.09 ; D103.B6 175.53,62.03 ; D103.B6 174.46,60.96 ; D103.B6 176.6,60.96 ; D103.B6 175.53,59.89 ; 90.64,398.78 D428.B16 ; D428.B16 92.78,398.78 ; D428.B16 91.71,397.71 ; D428.B16 91.71,399.85 ; D113.B2 202,327.66 ; D113.B2 200.93,326.59 ; D113.B2 200.93,328.73 ; D113.B2 199.86,327.66 ; 249.19,95.45 D105.A6 ; D105.A6 249.19,97.59 ; D105.A6 250.26,96.52 ; D105.A6 248.12,96.52 ; 246.65,77.67 D106.B5 ; D106.B5 246.65,79.81 ; D106.B5 245.58,78.74 ; D106.B5 247.72,78.74 ; 30.75,31.95 D120.A7 ; D120.A7 30.75,34.09 ; D120.A7 29.68,33.02 ; D120.A7 31.82,33.02 ; D428.B13 100.4,401.32 ; D428.B13 98.26,401.32 ; D428.B13 99.33,400.25 ; D428.B13 99.33,402.39 ; D114.A4 196.92,353.06 ; D114.A4 195.85,354.13 ; D114.A4 195.85,351.99 ; D114.A4 194.78,353.06 ; 253.2,353.06 D110.A10 ; D110.A10 254.27,351.99 ; D110.A10 255.34,353.06 ; D110.A10 254.27,354.13 ; 110.96,373.38 D227.A8 ; D227.A8 113.1,373.38 ; D227.A8 112.03,374.45 ; D227.A8 112.03,372.31 ; 90.64,363.22 CSDPS426.B16 ; CSDPS426.B16 91.71,362.15 ; CSDPS426.B16 91.71,364.29 ; CSDPS426.B16 92.78,363.22 ; 239.03,372.31 D111.A16 ; D111.A16 240.1,373.38 ; D111.A16 239.03,374.45 ; D111.A16 237.96,373.38 ; D105.A7 251.73,95.05 ; D105.A7 252.8,93.98 ; D105.A7 250.66,93.98 ; D105.A7 251.73,92.91 ; 104.41,97.99 D121.B7 ; D121.B7 103.34,99.06 ; D121.B7 105.48,99.06 ; D121.B7 104.41,100.13 ; DPS8.C11 30.75,411.28 ; DPS8.C11 31.82,410.21 ; DPS8.C11 30.75,409.14 ; DPS8.C11 29.68,410.21 ; 18.05,387.55 D232.B16 ; D232.B16 19.12,388.62 ; D232.B16 18.05,389.69 ; D232.B16 16.98,388.62 ; CSDPS426.C13 100.4,360.68 ; CSDPS426.C13 98.26,360.68 ; CSDPS426.C13 99.33,361.75 ; CSDPS426.C13 99.33,359.61 ; 241.57,97.99 D105.B3 ; D105.B3 240.5,99.06 ; D105.B3 242.64,99.06 ; D105.B3 241.57,100.13 ; D101.A11 189.3,93.98 ; D101.A11 188.23,95.05 ; D101.A11 187.16,93.98 ; D101.A11 188.23,92.91 ; 29.68,38.1 D120.B7 ; D120.B7 30.75,37.03 ; D120.B7 31.82,38.1 ; D120.B7 30.75,39.17 ; D120.B5 26.74,38.1 ; D120.B5 25.67,37.03 ; D120.B5 24.6,38.1 ; D120.B5 25.67,39.17 ; D113.B9 184.22,330.2 ; D113.B9 183.15,329.13 ; D113.B9 182.08,330.2 ; D113.B9 183.15,331.27 ; D119.B15 51.07,59.49 ; D119.B15 52.14,58.42 ; D119.B15 50,58.42 ; D119.B15 51.07,57.35 ; 167.91,37.03 D104.B3 ; D104.B3 166.84,38.1 ; D104.B3 167.91,39.17 ; D104.B3 168.98,38.1 ; 243.04,327.66 D109.B14 ; D109.B14 245.18,327.66 ; D109.B14 244.11,326.59 ; D109.B14 244.11,328.73 ; D427.A15 94.25,387.15 ; D427.A15 95.32,386.08 ; D427.A15 94.25,385.01 ; D427.A15 93.18,386.08 ; SB1.1 261.09,12.18 261.89,12.98 DPS1.A11 ; D110.B13 246.65,351.59 ; D110.B13 246.65,349.45 ; D110.B13 247.72,350.52 ; D110.B13 245.58,350.52 ; 177,396.24 D116.A11 ; D116.A11 178.07,397.31 ; D116.A11 179.14,396.24 ; D116.A11 178.07,395.17 ; 167.91,390.09 D116.B15 ; D116.B15 168.98,391.16 ; D116.B15 166.84,391.16 ; D116.B15 167.91,392.23 ; 273.52,347.98 D110.B2 ; D110.B2 274.59,346.91 ; D110.B2 275.66,347.98 ; D110.B2 274.59,349.05 ; D427.B12 102.94,378.46 ; D427.B12 100.8,378.46 ; D427.B12 101.87,379.53 ; D427.B12 101.87,377.39 ; 50,93.98 D117.A15 ; D117.A15 52.14,93.98 ; D117.A15 51.07,95.05 ; D117.A15 51.07,92.91 ; D120.B13 45.99,39.17 ; D120.B13 44.92,38.1 ; D120.B13 47.06,38.1 ; D120.B13 45.99,37.03 ; 236.49,92.91 D105.A1 ; D105.A1 237.56,93.98 ; D105.A1 235.42,93.98 ; D105.A1 236.49,95.05 ; 89.17,52.27 D123.A1 ; D123.A1 88.1,53.34 ; D123.A1 89.17,54.41 ; D123.A1 90.24,53.34 ; D120.A16 54.68,35.56 ; D120.A16 52.54,35.56 ; D120.A16 53.61,36.63 ; D120.A16 53.61,34.49 ; 129.81,395.17 D228.A1 ; D228.A1 128.74,396.24 ; D228.A1 129.81,397.31 ; D228.A1 130.88,396.24 ; 108.42,401.32 D428.B9 ; D428.B9 110.56,401.32 ; D428.B9 109.49,402.39 ; D428.B9 109.49,400.25 ; 188.23,329.13 D113.B7 ; D113.B7 188.23,331.27 ; D113.B7 189.3,330.2 ; D113.B7 187.16,330.2 ; D118.A2 18.05,77.27 ; D118.A2 16.98,76.2 ; D118.A2 18.05,75.13 ; D118.A2 19.12,76.2 ; 18.37,355.29 UHC230.G4_1 ; UHC230.G4_1 19.18,356.1 ; UHC230.G4_1 19.18,354.48 ; UHC230.G4_1 19.99,355.29 ; D109.B4 269.51,328.73 ; D109.B4 270.58,327.66 ; D109.B4 269.51,326.59 ; D109.B4 268.44,327.66 ; D124.A3 94.25,34.09 ; D124.A3 94.25,31.95 ; D124.A3 95.32,33.02 ; D124.A3 93.18,33.02 ; 14.44,370.84 D231.B17 ; D231.B17 15.51,369.77 ; D231.B17 16.58,370.84 ; D231.B17 15.51,371.91 ; 183.15,52.27 D103.A9 ; D103.A9 183.15,54.41 ; D103.A9 184.22,53.34 ; D103.A9 182.08,53.34 ; CSDPS225.C5 119.65,331.27 ; CSDPS225.C5 120.72,330.2 ; CSDPS225.C5 119.65,329.13 ; CSDPS225.C5 118.58,330.2 ; D112.B16 240.1,388.62 ; D112.B16 237.96,388.62 ; D112.B16 239.03,389.69 ; D112.B16 239.03,387.55 ; D428.A15 95.32,406.4 ; D428.A15 94.25,405.33 ; D428.A15 93.18,406.4 ; D428.A15 94.25,407.47 ; D123.B6 102.94,60.96 ; D123.B6 101.87,59.89 ; D123.B6 101.87,62.03 ; D123.B6 100.8,60.96 ; D432.B3 52.14,401.32 ; D432.B3 51.07,400.25 ; D432.B3 51.07,402.39 ; D432.B3 50,401.32 ; D118.B7 31.82,78.74 ; D118.B7 30.75,77.67 ; D118.B7 29.68,78.74 ; D118.B7 30.75,79.81 ; D231.A4 49.6,373.38 ; D231.A4 47.46,373.38 ; D231.A4 48.53,372.31 ; D231.A4 48.53,374.45 ; 94.25,349.45 CSDPS226.C15 ; CSDPS226.C15 93.18,350.52 ; CSDPS226.C15 95.32,350.52 ; CSDPS226.C15 94.25,351.59 ; 245.58,391.16 D112.B13 ; D112.B13 246.65,390.09 ; D112.B13 246.65,392.23 ; D112.B13 247.72,391.16 ; 192.24,335.28 D113.A5 ; D113.A5 194.38,335.28 ; D113.A5 193.31,334.21 ; D113.A5 193.31,336.35 ; D113.B3 199.46,330.2 ; D113.B3 198.39,329.13 ; D113.B3 198.39,331.27 ; D113.B3 197.32,330.2 ; 122.19,331.67 CSDPS225.B4 ; CSDPS225.B4 122.19,333.81 ; CSDPS225.B4 123.26,332.74 ; CSDPS225.B4 121.12,332.74 ; 22.06,388.62 D232.B14 ; D232.B14 23.13,387.55 ; D232.B14 24.2,388.62 ; D232.B14 23.13,389.69 ; D111.B13 247.72,370.84 ; D111.B13 245.58,370.84 ; D111.B13 246.65,369.77 ; D111.B13 246.65,371.91 ; 251.73,77.67 D106.B7 ; D106.B7 250.66,78.74 ; D106.B7 251.73,79.81 ; D106.B7 252.8,78.74 ; 199.86,40.64 D104.B16 ; D104.B16 202,40.64 ; D104.B16 200.93,39.57 ; D104.B16 200.93,41.71 ; 118.58,350.52 CSDPS226.C5 ; CSDPS226.C5 120.72,350.52 ; CSDPS226.C5 119.65,351.59 ; CSDPS226.C5 119.65,349.45 ; 259.35,34.49 D108.A10 ; D108.A10 260.42,35.56 ; D108.A10 259.35,36.63 ; D108.A10 258.28,35.56 ; 33.29,100.53 D117.B8 ; D117.B8 33.29,102.67 ; D117.B8 32.22,101.6 ; D117.B8 34.36,101.6 ; D431.B10 33.29,379.53 ; D431.B10 32.22,378.46 ; D431.B10 34.36,378.46 ; D431.B10 33.29,377.39 ; 53.61,54.81 D119.A16 ; D119.A16 54.68,55.88 ; D119.A16 52.54,55.88 ; D119.A16 53.61,56.95 ; 20.59,77.67 D118.B3 ; D118.B3 19.52,78.74 ; D118.B3 20.59,79.81 ; D118.B3 21.66,78.74 ; D431.B16 19.12,378.46 ; D431.B16 18.05,377.39 ; D431.B16 16.98,378.46 ; D431.B16 18.05,379.53 ; D106.A8 254.27,77.27 ; D106.A8 254.27,75.13 ; D106.A8 255.34,76.2 ; D106.A8 253.2,76.2 ; 51.07,385.01 D431.A3 ; D431.A3 52.14,386.08 ; D431.A3 50,386.08 ; D431.A3 51.07,387.15 ; D427.A9 109.49,387.15 ; D427.A9 109.49,385.01 ; D427.A9 108.42,386.08 ; D427.A9 110.56,386.08 ; 264.43,372.31 D111.A6 ; D111.A6 264.43,374.45 ; D111.A6 265.5,373.38 ; D111.A6 263.36,373.38 ; 23.13,397.71 D432.B14 ; D432.B14 22.06,398.78 ; D432.B14 24.2,398.78 ; D432.B14 23.13,399.85 ; D106.A4 245.18,76.2 ; D106.A4 243.04,76.2 ; D106.A4 244.11,77.27 ; D106.A4 244.11,75.13 ; 96.79,341.83 CSDPS425.B14 ; CSDPS425.B14 96.79,343.97 ; CSDPS425.B14 95.72,342.9 ; CSDPS425.B14 97.86,342.9 ; 268.44,40.64 D108.B14 ; D108.B14 270.58,40.64 ; D108.B14 269.51,41.71 ; D108.B14 269.51,39.57 ; 189.7,96.52 D101.A12 ; D101.A12 191.84,96.52 ; D101.A12 190.77,95.45 ; D101.A12 190.77,97.59 ; 110.96,378.46 D427.B8 ; D427.B8 112.03,377.39 ; D427.B8 113.1,378.46 ; D427.B8 112.03,379.53 ; 29.68,406.4 D432.A11 ; D432.A11 30.75,405.33 ; D432.A11 31.82,406.4 ; D432.A11 30.75,407.47 ; D101.A1 163.9,93.98 ; D101.A1 162.83,95.05 ; D101.A1 162.83,92.91 ; D101.A1 161.76,93.98 ; D114.A5 193.31,356.67 ; D114.A5 193.31,354.53 ; D114.A5 194.38,355.6 ; D114.A5 192.24,355.6 ; D431.B5 45.99,382.07 ; D431.B5 45.99,379.93 ; D431.B5 47.06,381 ; D431.B5 44.92,381 ; D101.A8 181.68,96.52 ; D101.A8 180.61,97.59 ; D101.A8 180.61,95.45 ; D101.A8 179.54,96.52 ; 114.57,405.33 D428.A7 ; D428.A7 115.64,406.4 ; D428.A7 114.57,407.47 ; D428.A7 113.5,406.4 ; 124.73,92.91 D121.A15 ; D121.A15 124.73,95.05 ; D121.A15 123.66,93.98 ; D121.A15 125.8,93.98 ; 246.65,395.17 D112.A13 ; D112.A13 246.65,397.31 ; D112.A13 247.72,396.24 ; D112.A13 245.58,396.24 ; 34.76,330.2 CSDPS229.C9 ; CSDPS229.C9 36.9,330.2 ; CSDPS229.C9 35.83,331.27 ; CSDPS229.C9 35.83,329.13 ; D228.B5 120.72,391.16 ; D228.B5 118.58,391.16 ; D228.B5 119.65,390.09 ; D228.B5 119.65,392.23 ; 16.98,101.6 D117.B2 ; D117.B2 18.05,102.67 ; D117.B2 19.12,101.6 ; D117.B2 18.05,100.53 ; 259.35,387.55 D112.B8 ; D112.B8 258.28,388.62 ; D112.B8 259.35,389.69 ; D112.B8 260.42,388.62 ; 128.74,375.92 D227.A1 ; D227.A1 129.81,376.99 ; D227.A1 130.88,375.92 ; D227.A1 129.81,374.85 ; D109.A4 270.58,332.74 ; D109.A4 268.44,332.74 ; D109.A4 269.51,333.81 ; D109.A4 269.51,331.67 ; 119.65,400.25 D428.B5 ; D428.B5 118.58,401.32 ; D428.B5 119.65,402.39 ; D428.B5 120.72,401.32 ; 52.54,96.52 D117.A16 ; D117.A16 53.61,97.59 ; D117.A16 53.61,95.45 ; D117.A16 54.68,96.52 ; D101.B6 175.53,102.67 ; D101.B6 175.53,100.53 ; D101.B6 174.46,101.6 ; D101.B6 176.6,101.6 ; 261.89,57.35 D107.B11 ; D107.B11 262.96,58.42 ; D107.B11 261.89,59.49 ; D107.B11 260.82,58.42 ; 44.92,406.4 D432.A5 ; D432.A5 47.06,406.4 ; D432.A5 45.99,407.47 ; D432.A5 45.99,405.33 ; D114.B8 185.69,349.05 ; D114.B8 185.69,346.91 ; D114.B8 186.76,347.98 ; D114.B8 184.62,347.98 ; D114.B14 171.52,347.98 ; D114.B14 170.45,346.91 ; D114.B14 169.38,347.98 ; D114.B14 170.45,349.05 ; 265.9,355.6 D110.A5 ; D110.A5 266.97,356.67 ; D110.A5 266.97,354.53 ; D110.A5 268.04,355.6 ; 114.57,52.27 D123.A11 ; D123.A11 114.57,54.41 ; D123.A11 113.5,53.34 ; D123.A11 115.64,53.34 ; D427.A4 123.26,383.54 ; D427.A4 122.19,382.47 ; D427.A4 122.19,384.61 ; D427.A4 121.12,383.54 ; D231.B11 31.82,370.84 ; D231.B11 29.68,370.84 ; D231.B11 30.75,369.77 ; D231.B11 30.75,371.91 ; D109.A9 257.88,335.28 ; D109.A9 256.81,336.35 ; D109.A9 255.74,335.28 ; D109.A9 256.81,334.21 ; 178.07,411.68 DPS2.B11 ; DPS2.B11 177,412.75 ; DPS2.B11 178.07,413.82 ; DPS2.B11 179.14,412.75 ; 100.8,101.6 D121.B6 ; D121.B6 101.87,102.67 ; D121.B6 102.94,101.6 ; D121.B6 101.87,100.53 ; D231.A7 40.91,376.99 ; D231.A7 39.84,375.92 ; D231.A7 40.91,374.85 ; D231.A7 41.98,375.92 ; 243.04,332.74 D109.A14 ; D109.A14 244.11,331.67 ; D109.A14 244.11,333.81 ; D109.A14 245.18,332.74 ; 106.95,362.15 CSDPS426.B10 ; CSDPS426.B10 106.95,364.29 ; CSDPS426.B10 108.02,363.22 ; CSDPS426.B10 105.88,363.22 ; CSDPS226.C13 99.33,351.59 ; CSDPS226.C13 100.4,350.52 ; CSDPS226.C13 99.33,349.45 ; CSDPS226.C13 98.26,350.52 ; 43.57,361.95 UHC430.G2_8 ; UHC430.G2_8 45.19,361.95 ; UHC430.G2_8 44.38,361.14 ; UHC430.G2_8 44.38,362.76 ; D102.A1 163.9,73.66 ; D102.A1 162.83,72.59 ; D102.A1 162.83,74.73 ; D102.A1 161.76,73.66 ; 14.92,360.2 UHC430.G1_10 ; UHC430.G1_10 15.73,359.39 ; UHC430.G1_10 15.73,361.01 ; UHC430.G1_10 16.54,360.2 ; 91.71,392.63 D228.A16 ; D228.A16 90.64,393.7 ; D228.A16 91.71,394.77 ; D228.A16 92.78,393.7 ; D227.B11 104.41,371.91 ; D227.B11 103.34,370.84 ; D227.B11 105.48,370.84 ; D227.B11 104.41,369.77 ; D432.B11 30.75,402.39 ; D432.B11 31.82,401.32 ; D432.B11 29.68,401.32 ; D432.B11 30.75,400.25 ; 171.92,335.28 D113.A13 ; D113.A13 172.99,336.35 ; D113.A13 172.99,334.21 ; D113.A13 174.06,335.28 ; 239.03,54.81 D107.A2 ; D107.A2 239.03,56.95 ; D107.A2 237.96,55.88 ; D107.A2 240.1,55.88 ; D107.A11 262.96,53.34 ; D107.A11 260.82,53.34 ; D107.A11 261.89,54.41 ; D107.A11 261.89,52.27 ; D119.A7 31.82,53.34 ; D119.A7 29.68,53.34 ; D119.A7 30.75,52.27 ; D119.A7 30.75,54.41 ; D122.A11 115.64,73.66 ; D122.A11 113.5,73.66 ; D122.A11 114.57,74.73 ; D122.A11 114.57,72.59 ; 32.22,60.96 D119.B8 ; D119.B8 33.29,62.03 ; D119.B8 33.29,59.89 ; D119.B8 34.36,60.96 ; D124.A5 99.33,34.09 ; D124.A5 100.4,33.02 ; D124.A5 98.26,33.02 ; D124.A5 99.33,31.95 ; DPS8.B11 30.75,413.82 ; DPS8.B11 30.75,411.68 ; DPS8.B11 29.68,412.75 ; DPS8.B11 31.82,412.75 ; 51.07,31.95 D120.A15 ; D120.A15 50,33.02 ; D120.A15 51.07,34.09 ; D120.A15 52.14,33.02 ; 25.67,379.93 D431.B13 ; D431.B13 26.74,381 ; D431.B13 24.6,381 ; D431.B13 25.67,382.07 ; 248.12,40.64 D108.B6 ; D108.B6 249.19,41.71 ; D108.B6 250.26,40.64 ; D108.B6 249.19,39.57 ; D117.A8 33.29,97.59 ; D117.A8 34.36,96.52 ; D117.A8 32.22,96.52 ; D117.A8 33.29,95.45 ; 23.13,377.39 D431.B14 ; D431.B14 24.2,378.46 ; D431.B14 22.06,378.46 ; D431.B14 23.13,379.53 ; 164.3,347.98 D114.B16 ; D114.B16 166.44,347.98 ; D114.B16 165.37,349.05 ; D114.B16 165.37,346.91 ; 103.34,53.34 D123.A7 ; D123.A7 105.48,53.34 ; D123.A7 104.41,52.27 ; D123.A7 104.41,54.41 ; 108.42,406.4 D428.A9 ; D428.A9 110.56,406.4 ; D428.A9 109.49,405.33 ; D428.A9 109.49,407.47 ; D105.B4 244.11,102.67 ; D105.B4 244.11,100.53 ; D105.B4 243.04,101.6 ; D105.B4 245.18,101.6 ; 265.9,93.98 D105.A13 ; D105.A13 266.97,95.05 ; D105.A13 266.97,92.91 ; D105.A13 268.04,93.98 ; 55.08,330.2 CSDPS229.C1 ; CSDPS229.C1 56.15,329.13 ; CSDPS229.C1 57.22,330.2 ; CSDPS229.C1 56.15,331.27 ; 37.3,388.62 D232.B8 ; D232.B8 38.37,387.55 ; D232.B8 39.44,388.62 ; D232.B8 38.37,389.69 ; 24.6,73.66 D118.A5 ; D118.A5 26.74,73.66 ; D118.A5 25.67,74.73 ; D118.A5 25.67,72.59 ; D108.A13 266.97,34.09 ; D108.A13 268.04,33.02 ; D108.A13 266.97,31.95 ; D108.A13 265.9,33.02 ; D232.B6 44.52,388.62 ; D232.B6 42.38,388.62 ; D232.B6 43.45,387.55 ; D232.B6 43.45,389.69 ; D228.B15 94.25,392.23 ; D228.B15 94.25,390.09 ; D228.B15 93.18,391.16 ; D228.B15 95.32,391.16 ; UHC230.G3_5 45.53,354.35 ; UHC230.G3_5 45.53,352.73 ; UHC230.G3_5 46.34,353.54 ; UHC230.G3_5 44.72,353.54 ; 129.81,369.77 D227.B1 ; D227.B1 128.74,370.84 ; D227.B1 130.88,370.84 ; D227.B1 129.81,371.91 ; 202.4,375.92 D115.A1 ; D115.A1 204.54,375.92 ; D115.A1 203.47,374.85 ; D115.A1 203.47,376.99 ; D231.B5 47.06,370.84 ; D231.B5 45.99,369.77 ; D231.B5 44.92,370.84 ; D231.B5 45.99,371.91 ; D231.B10 33.29,369.37 ; D231.B10 33.29,367.23 ; D231.B10 32.22,368.3 ; D231.B10 34.36,368.3 ; 116.04,353.06 CSDPS226.B6 ; CSDPS226.B6 117.11,351.99 ; CSDPS226.B6 118.18,353.06 ; CSDPS226.B6 117.11,354.13 ; 113.5,381 D427.B7 ; D427.B7 114.57,382.07 ; D427.B7 115.64,381 ; D427.B7 114.57,379.93 ; 270.98,16.51 DPS1.B15 ; DPS1.B15 273.12,16.51 ; DPS1.B15 272.05,15.44 ; DPS1.B15 272.05,17.58 ; 45.53,362.89 UHC430.G2_5 ; UHC430.G2_5 44.72,363.7 ; UHC430.G2_5 46.34,363.7 ; UHC430.G2_5 45.53,364.51 ; 265.9,391.16 D112.B5 ; D112.B5 266.97,390.09 ; D112.B5 268.04,391.16 ; D112.B5 266.97,392.23 ; 17.22,353.54 UHC230.G4_4 ; UHC230.G4_4 18.03,354.35 ; UHC230.G4_4 18.84,353.54 ; UHC230.G4_4 18.03,352.73 ; 119.65,385.01 D427.A5 ; D427.A5 118.58,386.08 ; D427.A5 120.72,386.08 ; D427.A5 119.65,387.15 ; D113.A12 175.53,333.81 ; D113.A12 174.46,332.74 ; D113.A12 175.53,331.67 ; D113.A12 176.6,332.74 ; 116.04,332.74 CSDPS225.B6 ; CSDPS225.B6 117.11,333.81 ; CSDPS225.B6 117.11,331.67 ; CSDPS225.B6 118.18,332.74 ; D124.B4 97.86,40.64 ; D124.B4 96.79,41.71 ; D124.B4 96.79,39.57 ; D124.B4 95.72,40.64 ; 124.73,329.13 CSDPS225.C3 ; CSDPS225.C3 124.73,331.27 ; CSDPS225.C3 123.66,330.2 ; CSDPS225.C3 125.8,330.2 ; D106.B6 250.26,81.28 ; D106.B6 249.19,82.35 ; D106.B6 248.12,81.28 ; D106.B6 249.19,80.21 ; 40.91,92.91 D117.A11 ; D117.A11 40.91,95.05 ; D117.A11 39.84,93.98 ; D117.A11 41.98,93.98 ; D105.A9 256.81,95.05 ; D105.A9 256.81,92.91 ; D105.A9 255.74,93.98 ; D105.A9 257.88,93.98 ; D432.A8 39.44,403.86 ; D432.A8 38.37,404.93 ; D432.A8 38.37,402.79 ; D432.A8 37.3,403.86 ; D122.B9 109.49,79.81 ; D122.B9 108.42,78.74 ; D122.B9 110.56,78.74 ; D122.B9 109.49,77.67 ; 113.5,16.51 DPS3.B11 ; DPS3.B11 115.64,16.51 ; DPS3.B11 114.57,17.58 ; DPS3.B11 114.57,15.44 ; D114.B6 190.77,349.05 ; D114.B6 189.7,347.98 ; D114.B6 190.77,346.91 ; D114.B6 191.84,347.98 ; D109.B12 250.26,327.66 ; D109.B12 248.12,327.66 ; D109.B12 249.19,326.59 ; D109.B12 249.19,328.73 ; 172.99,77.67 D102.B5 ; D102.B5 171.92,78.74 ; D102.B5 172.99,79.81 ; D102.B5 174.06,78.74 ; D432.B9 35.83,402.39 ; D432.B9 35.83,400.25 ; D432.B9 36.9,401.32 ; D432.B9 34.76,401.32 ; 263.36,40.64 D108.B12 ; D108.B12 264.43,41.71 ; D108.B12 265.5,40.64 ; D108.B12 264.43,39.57 ; 185.69,34.49 D104.A10 ; D104.A10 185.69,36.63 ; D104.A10 186.76,35.56 ; D104.A10 184.62,35.56 ; D107.B15 272.05,59.49 ; D107.B15 272.05,57.35 ; D107.B15 270.98,58.42 ; D107.B15 273.12,58.42 ; D121.A6 102.94,96.52 ; D121.A6 101.87,97.59 ; D121.A6 101.87,95.45 ; D121.A6 100.8,96.52 ; 172.99,369.77 D115.B13 ; D115.B13 172.99,371.91 ; D115.B13 174.06,370.84 ; D115.B13 171.92,370.84 ; D104.B15 199.46,38.1 ; D104.B15 198.39,37.03 ; D104.B15 197.32,38.1 ; D104.B15 198.39,39.17 ; D124.B10 112.03,41.71 ; D124.B10 113.1,40.64 ; D124.B10 110.96,40.64 ; D124.B10 112.03,39.57 ; D104.A2 166.44,35.56 